# Altium PCB OTPCB.PcbDoc (part 2 of 3)
Units mm, origin at the board's own origin, x right, y up, seen from the top; angles counter-clockwise.
Board outline 201.69 x 98.36 mm, 4 copper layers (Top Layer, Layer 1, Layer 2, Bottom Layer), stack 1.546 mm thick; 269 components, 220 nets, 1102 pads, 262 vias.
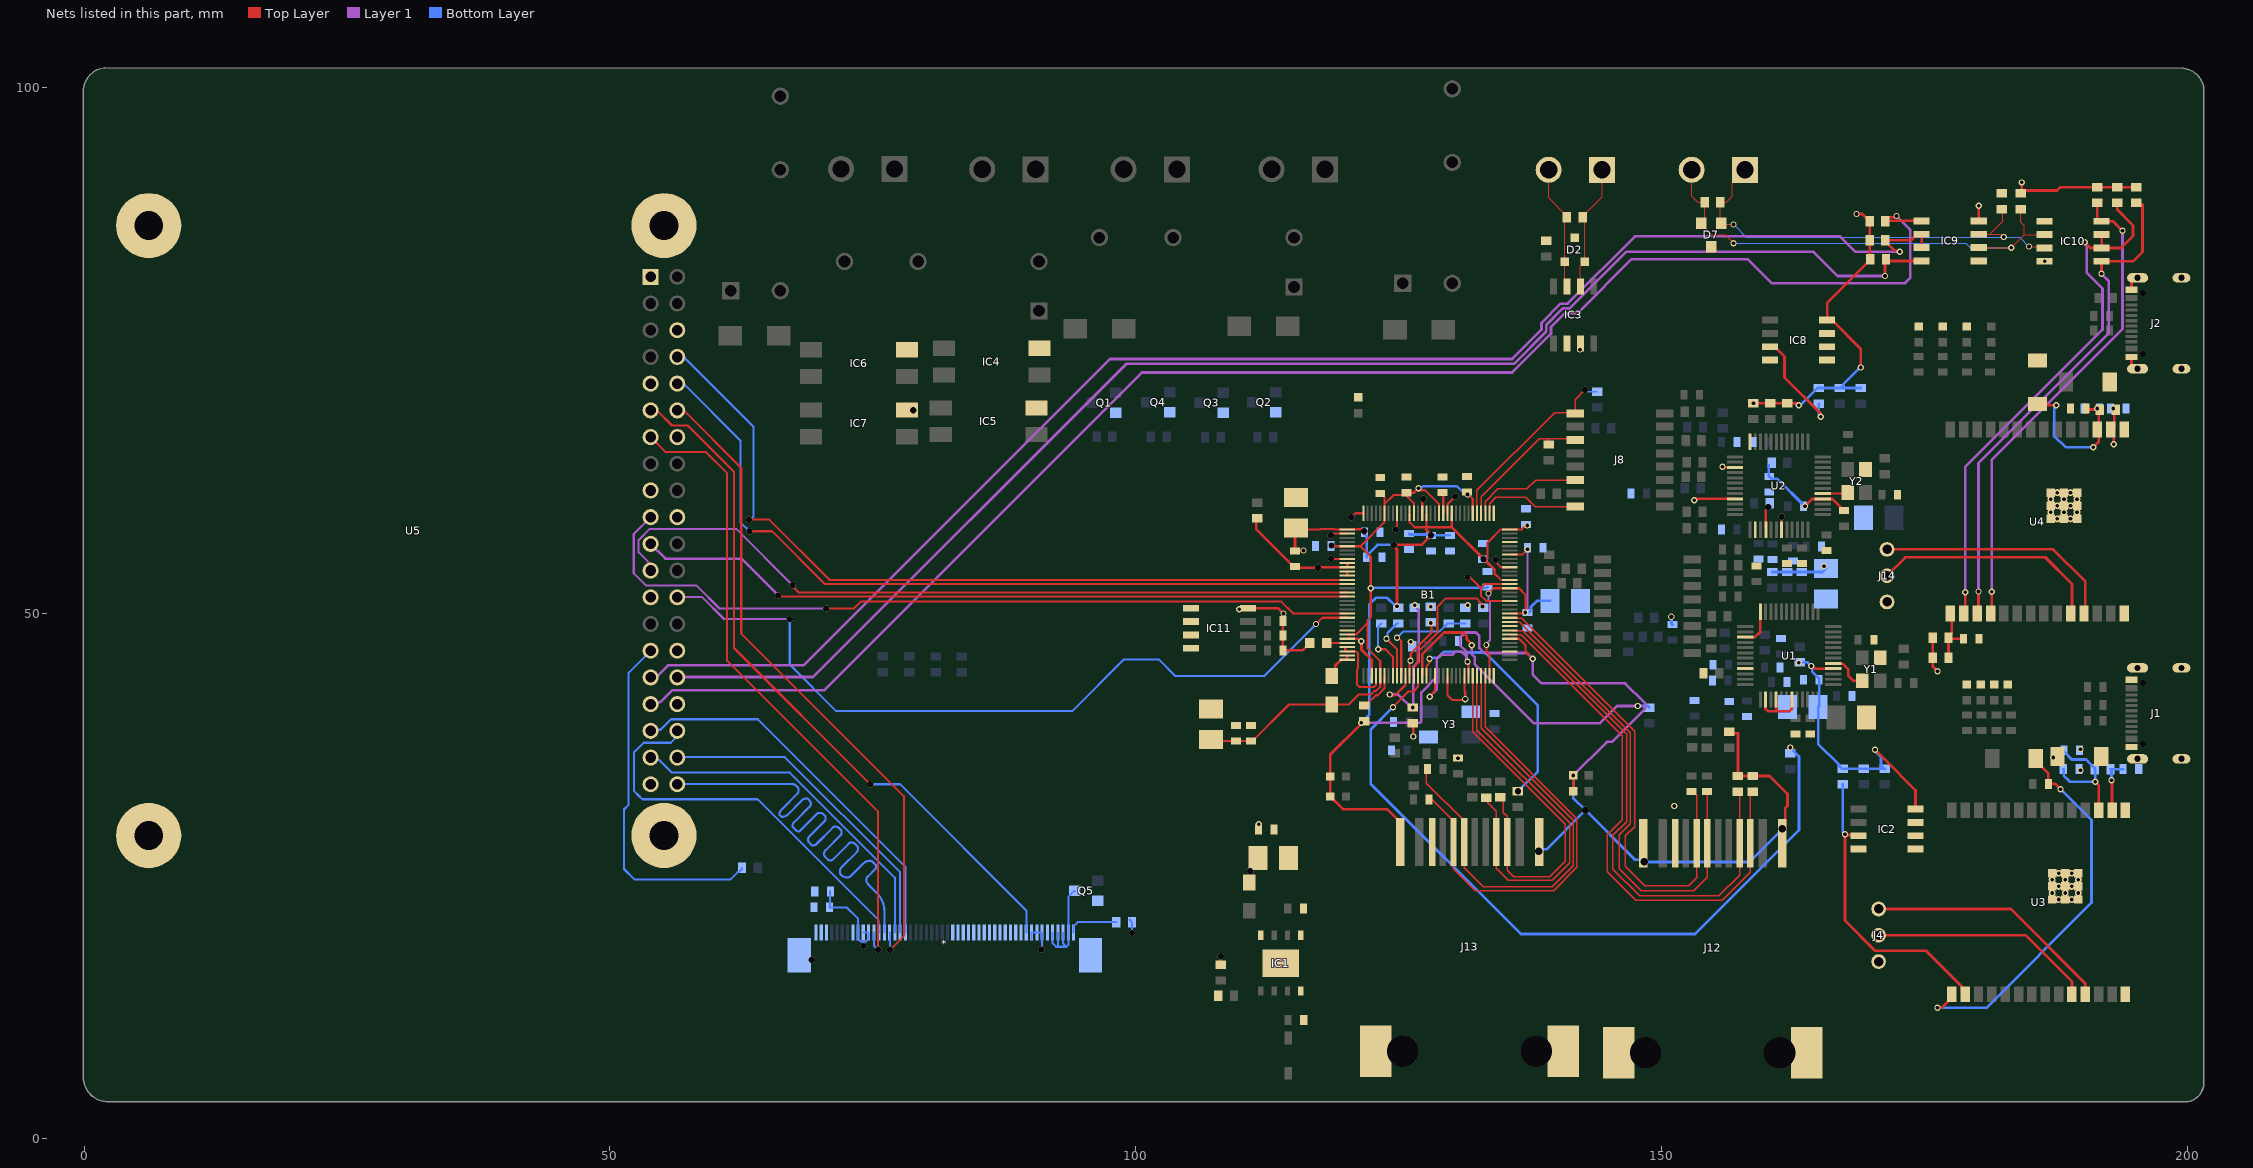
[diagram p4: the nets of this part, all layers, seen from the top]

## Part data
B1: "Integrated Circuits (ICs) QFP", Manufacturer_Name=Realtek, Datasheet Link=https://datasheet.lcsc.com/lcsc/2103121437_Realtek-Semicon-RTL8367S-CG_C2760849.pdf, Geometry.Height=1.6mm, Manufacturer_Part_Number=RTL8367S-CG
C1 C2: library part C0603C104J4RACTU, "Capacitor", Manufacturer_Name=KEMET, Mouser Part Number=80-C0603C104J4R, Arrow Part Number=C0603C104J4RACTU, Arrow Price/Stock=https://www.arrow.com/en/products/c0603c104j4ractu/kemet-corporation?region=nac, Datasheet Link=https://content.kemet.com/datasheets/KEM_C1002_X7R_SMD.pdf, Height=0.87mm, Manufacturer_Part_Number=C0603C104J4RACTU, Mouser Price/Stock=https://www.mouser.co.uk/ProductDetail/KEMET/C0603C104J4RACTU?qs=kWB%252BwhWP5%2Ff1r72Va246xA%3D%3D
C3 C6 C7 C10 C13 C14 C15 C16 C17 C18 C19 C20 C21 C22 C23 C24 C25 C26 C27 C28 C29 C30 C31 C32 C33 C37 C38 C39 C40 C41 C42 C43 C44 C45 C48 C49 C56 C57 C60 C62 C65 C68 C69 C72 C75 C76 C80: library part CMP-001-00076-4, "Chip Capacitor, .1µF +/-20%, 10V, 0603, Thickness 1 mm", Case/Package=0603, Max Operating Temperature=85°C, Min Operating Temperature=-55°C, Tolerance=10%, Voltage Rating=10V, Mounting Technology=SMT, Pins=2
C4 C5 C8 C9: library part CMP-001-00076-4, "Chip Capacitor, 18 pF +/-20%, 10V, 0603, Thickness 1 mm", Case/Package=0603, Max Operating Temperature=85°C, Min Operating Temperature=-55°C, Tolerance=10%, Voltage Rating=10V, Mounting Technology=SMT, Pins=2
C11 C12 C34 C35 C36 C74 C77 C78: library part TAJB105K050R, Manufacturer_Name="Kyocera AVX", Datasheet Link=http://datasheets.avx.com/TAJ.pdf, Height=2.1mm, Manufacturer_Part_Number=TAJB105K050R
C46 C47 C58 C73: library part CMP-001-00076-4, "Chip Capacitor, 4.7µF +/-20%, 10V, 0603, Thickness 1 mm", Case/Package=0603, Max Operating Temperature=85°C, Min Operating Temperature=-55°C, Tolerance=10%, Voltage Rating=10V, Mounting Technology=SMT, Pins=2
C50 C51 C70 C71: library part CMP-001-00076-4, "Chip Capacitor, 22nF +/-20%, 10V, 0603, Thickness 1 mm", Case/Package=0603, Max Operating Temperature=85°C, Min Operating Temperature=-55°C, Tolerance=10%, Voltage Rating=10V, Mounting Technology=SMT, Pins=2
C52 C53 C54 C55 C63 C64 C66 C67: library part CMP-001-00076-4, "Chip Capacitor, 6.8nF +/-20%, 10V, 0603, Thickness 1 mm", Case/Package=0603, Max Operating Temperature=85°C, Min Operating Temperature=-55°C, Tolerance=10%, Voltage Rating=10V, Mounting Technology=SMT, Pins=2
C59 C61: library part CMP-001-00076-4, "Chip Capacitor, 22pF +/-20%, 10V, 0603, Thickness 1 mm", Case/Package=0603, Max Operating Temperature=85°C, Min Operating Temperature=-55°C, Tolerance=10%, Voltage Rating=10V, Mounting Technology=SMT, Pins=2
C79: library part CMP-001-00076-4, "Chip Capacitor, 10µF +/-20%, 10V, 0603, Thickness 1 mm", Case/Package=0603, Max Operating Temperature=85°C, Min Operating Temperature=-55°C, Tolerance=10%, Voltage Rating=10V, Mounting Technology=SMT, Pins=2
CUTOUT1: library part display_1
D1: "Diode Schottky 40 V 1A Surface Mount SOD-123", Package="SOD-123 Fairchild Semiconductor", Availability="In Stock", Check_prices=https://www.snapeda.com/parts/1N5819HW-7-F/Diodes+Inc./view-part/?ref=eda, MF="Diodes Inc.", MP=1N5819HW-7-F, Price=None, Purchase-URL=https://pricing.snapeda.com/search/part/1N5819HW-7-F/?ref=eda, SnapEDA_Link=https://www.snapeda.com/parts/1N5819HW-7-F/Diodes+Inc./view-part/?ref=snap
D2: "TVS Diode (Bi-directional)", Manufacturer_Name=LITTELFUSE, Mouser Part Number=576-SM24CANB-02HTG, Arrow Part Number=SM24CANB-02HTG, Arrow Price/Stock=https://www.arrow.com/en/products/sm24canb-02htg/littelfuse?utm_currency=USD&region=nac, Datasheet Link=https://www.littelfuse.com/products/overvoltage-protection/tvs-diode-arrays/general-purpose/sm24canb/sm24canb-02htg, Height=1.12mm, Manufacturer_Part_Number=SM24CANB-02HTG, Mouser Price/Stock=https://www.mouser.co.uk/ProductDetail/Littelfuse/SM24CANB-02HTG?qs=bWsWnctWn1wbKmCYlcUmHw%3D%3D
D3 D4 D5 D6: "Diode", Manufacturer_Name=LGE, Datasheet Link=https://datasheet.lcsc.com/szlcsc/LGE-M7-SMAJ_C330214.pdf, Height=2.45mm, Manufacturer_Part_Number=M7
D7: "TVS Diode (Bi-directional)", Manufacturer_Name=DOWO, Datasheet Link=https://datasheet.lcsc.com/szlcsc/DOWO-SM712_C293966.pdf, Height=1.15mm, Manufacturer_Part_Number=SM712
F1 F2 F3: library part C0603C104J4RACTU, "Ferrite bead", Manufacturer_Name=KEMET, Mouser Part Number=80-C0603C104J4R, Arrow Part Number=C0603C104J4RACTU, Arrow Price/Stock=https://www.arrow.com/en/products/c0603c104j4ractu/kemet-corporation?region=nac, Datasheet Link=https://content.kemet.com/datasheets/KEM_C1002_X7R_SMD.pdf, Height=0.87mm, Manufacturer_Part_Number=C0603C104J4RACTU, Mouser Price/Stock=https://www.mouser.co.uk/ProductDetail/KEMET/C0603C104J4RACTU?qs=kWB%252BwhWP5%2Ff1r72Va246xA%3D%3D
IC1: "Integrated Circuit", Manufacturer_Name=STMicroelectronics, Mouser Part Number=511-ST1S10PHR, Arrow Part Number=ST1S10PHR, Arrow Price/Stock=https://www.arrow.com/en/products/st1s10phr/stmicroelectronics?region=nac, Datasheet Link=https://www.st.com/resource/en/datasheet/st1s10.pdf, Height=1.7mm, Manufacturer_Part_Number=ST1S10PHR, Mouser Price/Stock=https://www.mouser.co.uk/ProductDetail/STMicroelectronics/ST1S10PHR?qs=qolwYojYp3QSBN7PdO5xhg%3D%3D
IC2 IC8: library part LM75BD,118, "Integrated Circuit", Manufacturer_Name=NXP, Mouser Part Number=771-LM75BD118, Arrow Part Number=LM75BD,118, Arrow Price/Stock=https://www.arrow.com/en/products/lm75bd118/nxp-semiconductors?utm_currency=USD&region=nac, Datasheet Link=http://www.nxp.com/docs/en/data-sheet/LM75B.pdf, Height=1.75mm, Manufacturer_Part_Number=LM75BD,118, Mouser Price/Stock=https://www.mouser.co.uk/ProductDetail/NXP-Semiconductors/LM75BD118?qs=tKEQ0l%252B78Dle%2FKEoz9Gpmw%3D%3D
IC3: "Integrated Circuit", Manufacturer_Name="Texas Instruments", Mouser Part Number=595-SN65HVD230DR, Arrow Part Number=SN65HVD230DR, Arrow Price/Stock=https://www.arrow.com/en/products/sn65hvd230dr/texas-instruments?utm_currency=USD&region=nac, Datasheet Link=http://www.ti.com/lit/gpn/sn65hvd230, Height=1.75mm, Manufacturer_Part_Number=SN65HVD230DR, Mouser Price/Stock=https://www.mouser.co.uk/ProductDetail/Texas-Instruments/SN65HVD230DR?qs=QViXGNcIEAtifeQR3pYVUQ%3D%3D
IC4 IC5 IC6 IC7: "Undefined or Miscellaneous", Manufacturer_Name=Lite-On, Mouser Part Number=859-LTV-817S, Arrow Part Number=LTV-817S, Arrow Price/Stock=https://www.arrow.com/en/products/ltv-817s/lite-on-technology?utm_currency=USD&region=nac, Datasheet Link=http://optoelectronics.liteon.com/upload/download/DS-70-96-0016/LTV-8X7%20series%20201610%20.pdf, Height=4.6mm, Manufacturer_Part_Number=LTV-817S, Mouser Price/Stock=https://www.mouser.co.uk/ProductDetail/Lite-On/LTV-817S?qs=XpF7qU%252BvLkWYeWEC0OckNQ%3D%3D
IC9 IC10: "Integrated Circuit", Manufacturer_Name="Analog Devices", Mouser Part Number=700-MAX3485CSA, Arrow Part Number=MAX3485CSA+, Arrow Price/Stock=https://www.arrow.com/en/products/max3485csa/analog-devices?utm_currency=USD&region=nac, Datasheet Link=http://datasheets.maximintegrated.com/en/ds/MAX3483-MAX3491.pdf, Height=1.75mm, Manufacturer_Part_Number=MAX3485CSA+, Mouser Price/Stock=https://www.mouser.co.uk/ProductDetail/Analog-Devices-Maxim-Integrated/MAX3485CSA%2b?qs=1THa7WoU59EwF6JizZr35Q%3D%3D
IC11: "Integrated Circuit", Manufacturer_Name=Microchip, Mouser Part Number=556-AT24C02C-SSHM-T, Arrow Part Number=AT24C02C-SSHM-T, Arrow Price/Stock=https://www.arrow.com/en/products/at24c02c-sshm-t/microchip-technology?utm_currency=USD&region=nac, Datasheet Link=https://componentsearchengine.com/Datasheets/2/AT24C02C-SSHM-T.pdf, Height=1.75mm, Manufacturer_Part_Number=AT24C02C-SSHM-T, Mouser Price/Stock=https://www.mouser.co.uk/ProductDetail/Microchip-Technology/AT24C02C-SSHM-T?qs=GIS3PBbICsf0%252BNDfAcM6vQ%3D%3D
J1 J2: "USB Connectors 24 Receptacle 1 8.94*7.3mm RoHS", Package=Package, Check_prices=https://www.snapeda.com/parts/TYPE-C-31-M-12/HRO+Electronics+Co.%252C+Ltd./view-part/?ref=eda, MF="HRO Electronics Co., Ltd.", MP=TYPE-C-31-M-12, SnapEDA_Link=https://www.snapeda.com/parts/TYPE-C-31-M-12/HRO+Electronics+Co.%252C+Ltd./view-part/?ref=snap
J3 J9 J11: "Connector", Manufacturer_Name="TE Connectivity", Mouser Part Number=571-7966382, Arrow Part Number=796638-2, Arrow Price/Stock=https://www.arrow.com/en/products/796638-2/te-connectivity?utm_currency=USD&region=nac, Datasheet Link=https://www.te.com/commerce/DocumentDelivery/DDEController?Action=srchrtrv&DocNm=1-773958-1&DocType=Data%20Sheet&DocLang=English&PartCntxt=796638-2&DocFormat=pdf, Height=8.5mm, Manufacturer_Part_Number=796638-2, Mouser Price/Stock=https://www.mouser.co.uk/ProductDetail/TE-Connectivity/796638-2?qs=OgP1KchuM4OGTMRdQOKfPQ%3D%3D
J4 J14: "Connector", Arrow Part Number=B3B-XH-A(LF)(SN), Manufacturer_Name="JST (JAPAN SOLDERLESS TERMINALS)", Mouser Part Number=306-B3BXHALFSNP, Arrow Price/Stock=https://www.arrow.com/en/products/b3b-xh-a-lf-sn/jst-manufacturing?utm_currency=USD&region=europe, Datasheet Link=https://datasheet.lcsc.com/szlcsc/1812131720_JST-Sales-America-B3B-XH-A-LF-SN_C144394.pdf, Height=7mm, Manufacturer_Part_Number=B3B-XH-A(LF)(SN), Mouser Price/Stock=https://www.mouser.co.uk/ProductDetail/JST-Commercial/B3B-XH-ALFSN?qs=cdbOS8ANM9BVkoboCCIEMQ%3D%3D
J5 J6 J10: library part 796638-2, "Connector", Manufacturer_Name="TE Connectivity", Mouser Part Number=571-7966382, Arrow Part Number=796638-2, Arrow Price/Stock=https://www.arrow.com/en/products/796638-2/te-connectivity?utm_currency=USD&region=nac, Datasheet Link=https://www.te.com/commerce/DocumentDelivery/DDEController?Action=srchrtrv&DocNm=1-773958-1&DocType=Data%20Sheet&DocLang=English&PartCntxt=796638-2&DocFormat=pdf, Height=8.5mm, Manufacturer_Part_Number=796638-2, Mouser Price/Stock=https://www.mouser.co.uk/ProductDetail/TE-Connectivity/796638-2?qs=OgP1KchuM4OGTMRdQOKfPQ%3D%3D
J7 J8: "SINGLE PORT, 10/100 BASE-T ETHERNET TRANSFORMER MODULES", Manufacturer_Name=LINK-PP, Geometry.Height=6.2mm, Manufacturer_Part_Number=LP2019ANL
J12 J13: "1x1 Port Tab-UP Surface Mount RJ45 Connector with Magnetics Module and LEDfor 10/100Base-TX NIC Applications.", Package=Package, Check_prices=https://www.snapeda.com/parts/HR961160C/HanRun/view-part/?ref=eda, MF=HanRun, MP=HR961160C, SnapEDA_Link=https://www.snapeda.com/parts/HR961160C/HanRun/view-part/?ref=snap
K1 K2 K3 K4: "Relay: electromagnetic; SPST-NO; Ucoil: 5VDC; 5A/250VAC; 5A/30VDC", Package=None, Check_prices=https://www.snapeda.com/parts/HF46F/005-HS1/Hongfa/view-part/?ref=eda, MF=Hongfa, MP=HF46F/005-HS1, SnapEDA_Link=https://www.snapeda.com/parts/HF46F/005-HS1/Hongfa/view-part/?ref=snap
L1 L2: library part 74438366047, "Inductor", Manufacturer_Name="Wurth Elektronik", Mouser Part Number=710-74438366047, Datasheet Link=https://www.mouser.de/datasheet/2/445/74438366047-1729684.pdf, Height=2.1mm, Manufacturer_Part_Number=74438366047, Mouser Price/Stock=https://www.mouser.co.uk/ProductDetail/Wurth-Elektronik/74438366047?qs=GBLSl2AkirtLXcWmtAjOXQ%3D%3D
LED1 LED2 LED3 LED4 LED5 LED6 LED7 LED8 LED9 LED10 LED11 LED12 LED13: "LED", Manufacturer_Name=Everlight, Manufacturer_Part_Number=19-213/G6C-AN1P2B/3T, Mouser Part Number=638-19213G6CAN1P2B3T, Datasheet Link=https://componentsearchengine.com/Datasheets/1/19-213_G6C-AN1P2B_3T.pdf, Height=0.6mm, Mouser Price/Stock=https://www.mouser.com/Search/Refine.aspx?Keyword=638-19213G6CAN1P2B3T
Q1 Q2 Q3 Q4 Q5: "Transistor BJT NPN", Manufacturer_Name="Comchip Technology", Mouser Part Number=750-MMBT2222A-G, Arrow Part Number=MMBT2222A-G, Arrow Price/Stock=https://www.arrow.com/en/products/mmbt2222a-g/comchip-technology?region=nac, Datasheet Link=https://datasheet.datasheetarchive.com/originals/distributors/Datasheets-7/DSA-138996.pdf, Height=1.15mm, Manufacturer_Part_Number=MMBT2222A-G, Mouser Price/Stock=https://www.mouser.co.uk/ProductDetail/Comchip-Technology/MMBT2222A-G?qs=2qJf6qQ4IOIM%2FSE9iCL8gQ%3D%3D
R1 R2 R5 R6 R38 R39 R99 R101: library part CMP-009-00031-5, "Chip Resistor, 10 Ohm, +/- 1%, 0.1 W, -55 to 155 degC, 0603 (1608 Metric)", Case/Package=0603, Max Operating Temperature=155°C, Min Operating Temperature=-55°C, Power=100mW, Tolerance=1%, Mounting Technology=SM, Pins=2, RoHS Compliant=True
R3: library part CMP-009-00031-5, "Chip Resistor, 820 Ohm, +/- 1%, 0.1 W, -55 to 155 degC, 0603 (1608 Metric)", Case/Package=0603, Max Operating Temperature=155°C, Min Operating Temperature=-55°C, Power=100mW, Tolerance=1%, Mounting Technology=SM, Pins=2, RoHS Compliant=True
R4: library part CMP-009-00017-5, "Chip Resistor, 270 KOhm, +/- 1%, 01 W, -55 to 155 degC, 0603 (1608 Metric)", Case/Package=0603, Max Operating Temperature=155°C, Min Operating Temperature=-55°C, Power=100mW, Tolerance=1%, Voltage Rating=50V, Mounting Technology=SM, Pins=2, RoHS Compliant=True
R7: library part CMP-009-00017-5, "Chip Resistor, 86 KOhm, +/- 1%, 01 W, -55 to 155 degC, 0603 (1608 Metric)", Case/Package=0603, Max Operating Temperature=155°C, Min Operating Temperature=-55°C, Power=100mW, Tolerance=1%, Voltage Rating=50V, Mounting Technology=SM, Pins=2, RoHS Compliant=True
R8 R9 R10 R15 R18 R19 R21 R23 R25 R26 R29 R67 R69 R70 R73 R78: library part CMP-009-00031-5, "Chip Resistor, 4.7 KOhm, +/- 1%, 0.1 W, -55 to 155 degC, 0603 (1608 Metric)", Case/Package=0603, Max Operating Temperature=155°C, Min Operating Temperature=-55°C, Power=100mW, Tolerance=1%, Mounting Technology=SM, Pins=2, RoHS Compliant=True
R11 R83: library part CMP-009-00031-5, "Chip Resistor, 120 Ohm, +/- 1%, 0.1 W, -55 to 155 degC, 0603 (1608 Metric)", Case/Package=0603, Max Operating Temperature=155°C, Min Operating Temperature=-55°C, Power=100mW, Tolerance=1%, Mounting Technology=SM, Pins=2, RoHS Compliant=True
R12 R13: library part CMP-009-00031-5, "Chip Resistor, 1MOhm, +/- 1%, 0.1 W, -55 to 155 degC, 0603 (1608 Metric)", Case/Package=0603, Max Operating Temperature=155°C, Min Operating Temperature=-55°C, Power=100mW, Tolerance=1%, Mounting Technology=SM, Pins=2, RoHS Compliant=True
R14 R16 R17 R20 R22 R28 R30 R31 R32: library part CMP-009-00031-5, "Chip Resistor, 0 Ohm, +/- 1%, 0.1 W, -55 to 155 degC, 0603 (1608 Metric)", Case/Package=0603, Max Operating Temperature=155°C, Min Operating Temperature=-55°C, Power=100mW, Tolerance=1%, Mounting Technology=SM, Pins=2, RoHS Compliant=True
R24 R37 R56 R64: library part CMP-009-00031-5, "Chip Resistor, 220 Ohm, +/- 1%, 0.1 W, -55 to 155 degC, 0603 (1608 Metric)", Case/Package=0603, Max Operating Temperature=155°C, Min Operating Temperature=-55°C, Power=100mW, Tolerance=1%, Mounting Technology=SM, Pins=2, RoHS Compliant=True
R27 R40 R43 R45 R59 R65 R84 R85 R86 R87 R88 R89 R90 R92 R93 R107 R109: library part CMP-009-00031-5, "Chip Resistor, 10 KOhm, +/- 1%, 0.1 W, -55 to 155 degC, 0603 (1608 Metric)", Case/Package=0603, Max Operating Temperature=155°C, Min Operating Temperature=-55°C, Power=100mW, Tolerance=1%, Mounting Technology=SM, Pins=2, RoHS Compliant=True
R33 R34: library part CMP-009-00031-5, "Chip Resistor, 12 KOhm, +/- 1%, 0.1 W, -55 to 155 degC, 0603 (1608 Metric)", Case/Package=0603, Max Operating Temperature=155°C, Min Operating Temperature=-55°C, Power=100mW, Tolerance=1%, Mounting Technology=SM, Pins=2, RoHS Compliant=True
R35 R36 R41 R42 R95 R96 R98 R100: library part CMP-009-00031-5, "Chip Resistor, 49.9Ohm, +/- 1%, 0.1 W, -55 to 155 degC, 0603 (1608 Metric)", Case/Package=0603, Max Operating Temperature=155°C, Min Operating Temperature=-55°C, Power=100mW, Tolerance=1%, Mounting Technology=SM, Pins=2, RoHS Compliant=True
R44 R50 R55 R60 R106 R110 R111 R112: library part CMP-009-00031-5, "Chip Resistor, 300 Ohm, +/- 1%, 0.1 W, -55 to 155 degC, 0603 (1608 Metric)", Case/Package=0603, Max Operating Temperature=155°C, Min Operating Temperature=-55°C, Power=100mW, Tolerance=1%, Mounting Technology=SM, Pins=2, RoHS Compliant=True
R46 R47 R48 R49 R79 R80 R81 R82: library part CMP-009-00031-5, "Chip Resistor, 82 Ohm, +/- 1%, 0.1 W, -55 to 155 degC, 0603 (1608 Metric)", Case/Package=0603, Max Operating Temperature=155°C, Min Operating Temperature=-55°C, Power=100mW, Tolerance=1%, Mounting Technology=SM, Pins=2, RoHS Compliant=True
R51 R52 R53 R54: library part CMP-009-00031-5, "Chip Resistor, 75 Ohm, +/- 1%, 0.1 W, -55 to 155 degC, 0603 (1608 Metric)", Case/Package=0603, Max Operating Temperature=155°C, Min Operating Temperature=-55°C, Power=100mW, Tolerance=1%, Mounting Technology=SM, Pins=2, RoHS Compliant=True
R57 R58 R61 R62: library part CMP-009-00031-5, "Chip Resistor, 150 Ohm, +/- 1%, 0.1 W, -55 to 155 degC, 0603 (1608 Metric)", Case/Package=0603, Max Operating Temperature=155°C, Min Operating Temperature=-55°C, Power=100mW, Tolerance=1%, Mounting Technology=SM, Pins=2, RoHS Compliant=True
R63: library part CMP-009-00031-5, "Chip Resistor, 300 KOhm, +/- 1%, 0.1 W, -55 to 155 degC, 0603 (1608 Metric)", Case/Package=0603, Max Operating Temperature=155°C, Min Operating Temperature=-55°C, Power=100mW, Tolerance=1%, Mounting Technology=SM, Pins=2, RoHS Compliant=True
R66 R68 R71 R72 R74 R75 R76 R77 R104: library part CMP-009-00031-5, "Chip Resistor, 470 Ohm, +/- 1%, 0.1 W, -55 to 155 degC, 0603 (1608 Metric)", Case/Package=0603, Max Operating Temperature=155°C, Min Operating Temperature=-55°C, Power=100mW, Tolerance=1%, Mounting Technology=SM, Pins=2, RoHS Compliant=True
R91 R94 R97: library part CMP-009-00031-5, "Chip Resistor, 1.5 KOhm, +/- 1%, 0.1 W, -55 to 155 degC, 0603 (1608 Metric)", Case/Package=0603, Max Operating Temperature=155°C, Min Operating Temperature=-55°C, Power=100mW, Tolerance=1%, Mounting Technology=SM, Pins=2, RoHS Compliant=True
R102: library part CMP-009-00031-5, "Chip Resistor, 20 Ohm, +/- 1%, 0.1 W, -55 to 155 degC, 0603 (1608 Metric)", Case/Package=0603, Max Operating Temperature=155°C, Min Operating Temperature=-55°C, Power=100mW, Tolerance=1%, Mounting Technology=SM, Pins=2, RoHS Compliant=True
R103 R105: library part CMP-009-00031-5, "Chip Resistor, 20 KOhm, +/- 1%, 0.1 W, -55 to 155 degC, 0603 (1608 Metric)", Case/Package=0603, Max Operating Temperature=155°C, Min Operating Temperature=-55°C, Power=100mW, Tolerance=1%, Mounting Technology=SM, Pins=2, RoHS Compliant=True
R108: library part CMP-009-00031-5, "Chip Resistor, 100 KOhm, +/- 1%, 0.1 W, -55 to 155 degC, 0603 (1608 Metric)", Case/Package=0603, Max Operating Temperature=155°C, Min Operating Temperature=-55°C, Power=100mW, Tolerance=1%, Mounting Technology=SM, Pins=2, RoHS Compliant=True
R113: library part RK73H1JTTD1001F, "Resistor", Manufacturer_Name="KOA Speer", Mouser Part Number=660-RK73H1JTTD1001F, Arrow Part Number=RK73H1JTTD1001F, Arrow Price/Stock=https://www.arrow.com/en/products/rk73h1jttd1001f/koa-speer-electronics?utm_currency=USD&region=nac, Datasheet Link=http://www.koaspeer.com/catimages/Products/RK73-RT/RK73-RT.pdf, Height=0.55mm, Manufacturer_Part_Number=RK73H1JTTD1001F, Mouser Price/Stock=https://www.mouser.co.uk/ProductDetail/KOA-Speer/RK73H1JTTD1001F?qs=LDe0C6QMEhjxBAtFZK22kg%3D%3D
S1 S2 S3 S4: "50mA 4mm 100MÎ© 100,000 Times 12V 160gf 3mm 2mm Round Button Vertical welding SPST SMD Tactile Switches ROHS", Package=Package, Check_prices=https://www.snapeda.com/parts/TS-1088-AR02016/Xunpu/view-part/?ref=eda, MF=Xunpu, MP=TS-1088-AR02016, SnapEDA_Link=https://www.snapeda.com/parts/TS-1088-AR02016/Xunpu/view-part/?ref=snap
U1 U2: "Hardwired TCP/IP embedded Ethernet controller", Package=None, Availability=Unavailable, MP=W5500, Price=None
U3 U4: library part ESP32-C6-WROOM-1-N8, Package="SMD-28 Espressif Systems", Check_prices=https://www.snapeda.com/parts/ESP32-C6-WROOM-1-N8/Espressif+Systems/view-part/?ref=eda, MF="Espressif Systems", MP=ESP32-C6-WROOM-1-N8, SnapEDA_Link=https://www.snapeda.com/parts/ESP32-C6-WROOM-1-N8/Espressif+Systems/view-part/?ref=snap
U5: "The Raspberry Pi 4 Model B SC0195-9 single board computer features a powerful Broadcom BCM2711 ARM Cortex-A72 processor with 1.5GHz speed and four cores, making it ideal for demanding embedded computing applications. With 8GB of RAM and a compact size of", Package=None, Check_prices=https://www.snapeda.com/parts/SC0195(9)/Raspberry+Pi/view-part/?ref=eda, MF="Raspberry Pi", MP=SC0195(9), SnapEDA_Link=https://www.snapeda.com/parts/SC0195(9)/Raspberry+Pi/view-part/?ref=snap
W1 W2: "Jumper Zero Ohm SMT Reel", Package=None, Check_prices=https://www.snapeda.com/parts/5110/Keystone/view-part/?ref=eda, MF="Keystone Electronics Corp.", MP=5110, SnapEDA_Link=https://www.snapeda.com/parts/5110/Keystone/view-part/?ref=snap
Y1 Y2: "25 MHz Â±10ppm Crystal 18pF 4-SMD, No Lead", Package="NON STANDARD-4 TXC", Availability="In Stock", Check_prices=https://www.snapeda.com/parts/7M25000014/TXC/view-part/?ref=eda, MF=TXC, MP=7M25000014, Price=None, Purchase-URL=https://pricing.snapeda.com/search/part/7M25000014/?ref=eda, SnapEDA_Link=https://www.snapeda.com/parts/7M25000014/TXC/view-part/?ref=snap
Y3: "25 MHz ±30ppm Crystal 22pF 50 Ohms 4-SMD, No Lead", Package=Package, Check_prices=https://www.snapeda.com/parts/ABM3B-25.000MHZ-22-E4H-T/Abracon/view-part/?ref=eda, MF=Abracon, MP=ABM3B-25.000MHZ-22-E4H-T, SnapEDA_Link=https://www.snapeda.com/parts/ABM3B-25.000MHZ-22-E4H-T/Abracon/view-part/?ref=snap

## Via types
v1: diameter 0.6, hole 0.35, Top Layer to Bottom Layer, 191 vias
v2: diameter 0.6, hole 0.6, Top Layer to Bottom Layer, 62 vias
v3: diameter 0.711, hole 0.711, Top Layer to Bottom Layer, 6 vias
v4: diameter 0.6, hole 0.4, Top Layer to Bottom Layer, 3 vias

## Nets (pads, with @x,y where several pads share a name; then routed paths per layer and width w, separated by ;. In a path a pad name is that pad's centre, name@x,y a point inside that pad or via, vN(x,y) a via of type N, cw(c..) or ccw(c..) an arc to the next point about the centre after c; other vN are vias at no path point)
485_N: D7.1 IC9.7 IC10.7 J11.1 R83.1 R103.1 | length 43.6
  Top Layer w0.077: v1(156.866,86.966) 155.816,86.966 D7.1@155.716,87.066 155.616,87.166 R83.1@155.616,89.066 156.166,89.066 156.767,89.668 156.767,90.968 J11.1@157.966,92.166 ; IC9.7@180.19,86.036 181.236,86.036 ; R103.1@182.366,88.416 182.466,88.316 182.466,87.266 181.236,86.036 ; v1(182.566,85.766) 182.296,86.036 181.236,86.036 ; v1(184.966,84.866) 186.319,84.866 IC10.7@186.454,84.731
  Bottom Layer w0.077: v1(156.866,86.966) 158.066,85.766 v1(182.566,85.766) 184.066,85.766 v1(184.966,84.866)
485_P: D7.2 IC9.6 IC10.6 J11.2 R83.2 R105.1 | length 46
  Top Layer w0.077: J11.2@152.886,92.166 152.886,89.646 153.466,89.066 R83.2@154.116,89.066 154.116,87.366 D7.2@153.816,87.066 153.816,87.016 154.666,86.166 154.666,86.012 154.712,85.966 156.066,85.966 v1(156.866,85.166) ; IC9.6@180.19,84.766 v1(183.266,84.766) 184.498,85.999 ; R105.1@184.166,88.416 184.166,87.166 184.498,86.834 184.498,85.999 ; IC10.6@186.454,86.001 185.534,86.001 185.531,85.999 184.498,85.999
  Bottom Layer w0.077: v1(156.866,85.166) 178.966,85.166 179.366,84.766 v1(183.266,84.766)
+3V3: *.7 *.8 *.9 *.40 *.41 *.42 B1.41 B1.42 B1.59 B1.67 C3.1 C10.2 C11.1 C36.1 C37.1 C38.1 C62.2 C74.1 C79.1 C80.1 F1.1 F2.1 F3.1 IC2.8 IC3.3 IC8.8 IC9.8 IC10.8 IC11.8 L1.2 R3.1 R4.1 R8.1 R9.1 R10.1 R15.2 R18.2 R19.2 R21.2 R23.2 R25.2 R26.2 R29.2 R43.1 R45.1 R84.1 R85.1 R86.1 R87.1 R88.1 R89.1 R90.1 R91.2 R92.1 R93.1 R94.2 R97.2 R102.2 R105.2 R107.1 R108.1 R109.1 R113.1 U1.28 U2.28 U3.2 U4.2 U5.1 U5.17 | length 145.2
  Top Layer w0.2: F3.1@115.166,54.426 115.276,54.316 117.291,54.316 117.341,54.366 B1.42@120.128,54.366 120.128,54.566 ; B1.59@120.128,47.566 121.148,47.566 121.385,47.33 v1(121.45,47.33) ; B1.67@122.466,44.028 122.466,45.542
  Top Layer w0.254: v2@108.089,17.391 v2(108.114,17.366) R4.1@108.114,16.566 ; IC11.8@110.678,50.471 113.537,50.471 114.042,49.966 v1(114.066,49.966) 114.066,49.326 R91.2@114.006,49.266 R94.2@114.006,47.866 R97.2@114.006,46.466 115.891,46.466 116.566,47.141 R113.1@116.566,47.166 ; L1.2@110.814,24.391 110.914,24.491 v2(110.914,25.466) 110.914,25.966 C11.1@111.664,26.716 ; R3.1@111.566,59.016 111.466,58.916 111.466,57.991 115.031,54.426 F3.1@115.166,54.426 ; 120.128,54.566 120.172,54.61 ; v1(121.45,47.33) 121.487,47.293 121.487,46.522 122.466,45.542 ; v1(158.766,69.966) R25.2@160.366,69.966 R29.2@161.966,69.966 v1@162.917,69.966 ; v1(163.666,60.166) 164.353,60.853 165.353,60.853 U2.28@165.366,60.866 165.379,60.853 166.262,60.853 167.023,60.092 167.023,59.954 167.231,59.746 F2.1@167.366,59.746 ; v1(164.266,44.966) 164.387,44.966 164.637,44.716 U1.28@166.346,44.716 ; v1(168.566,87.966) 169.116,87.966 169.443,87.639 169.543,87.639 169.816,87.366 R86.1@169.816,87.266 R89.1@169.816,85.466 169.816,83.716 R92.1@169.866,83.666 169.866,83.566 165.778,79.478 IC8.8@165.778,77.871 166.216,77.871 168.966,75.121 v1(168.966,73.366) ; v1(170.319,37.014) 171.219,36.113 174.178,33.154 IC2.8@174.178,31.371 ; R45.1@175.816,47.666 R109.1@175.816,45.766 175.816,44.916 v1(176.266,44.466) ; v1@180.166,88.766 v1(180.19,88.742) IC9.8@180.19,87.306 ; v1(184.266,90.966) 184.266,90.189 187.653,90.189 187.98,90.516 R93.1@191.466,90.516 R90.1@193.366,90.516 R88.1@195.166,90.516 ; v1@192.766,34.166 192.866,34.066 U3.2@192.866,31.261 ; v1(193.016,66.066) 193.016,67.411 193.066,67.461 193.066,69.216 R107.1@193.216,69.366